# KiCad board HALTEST-panel.kicad_pcb (continued)
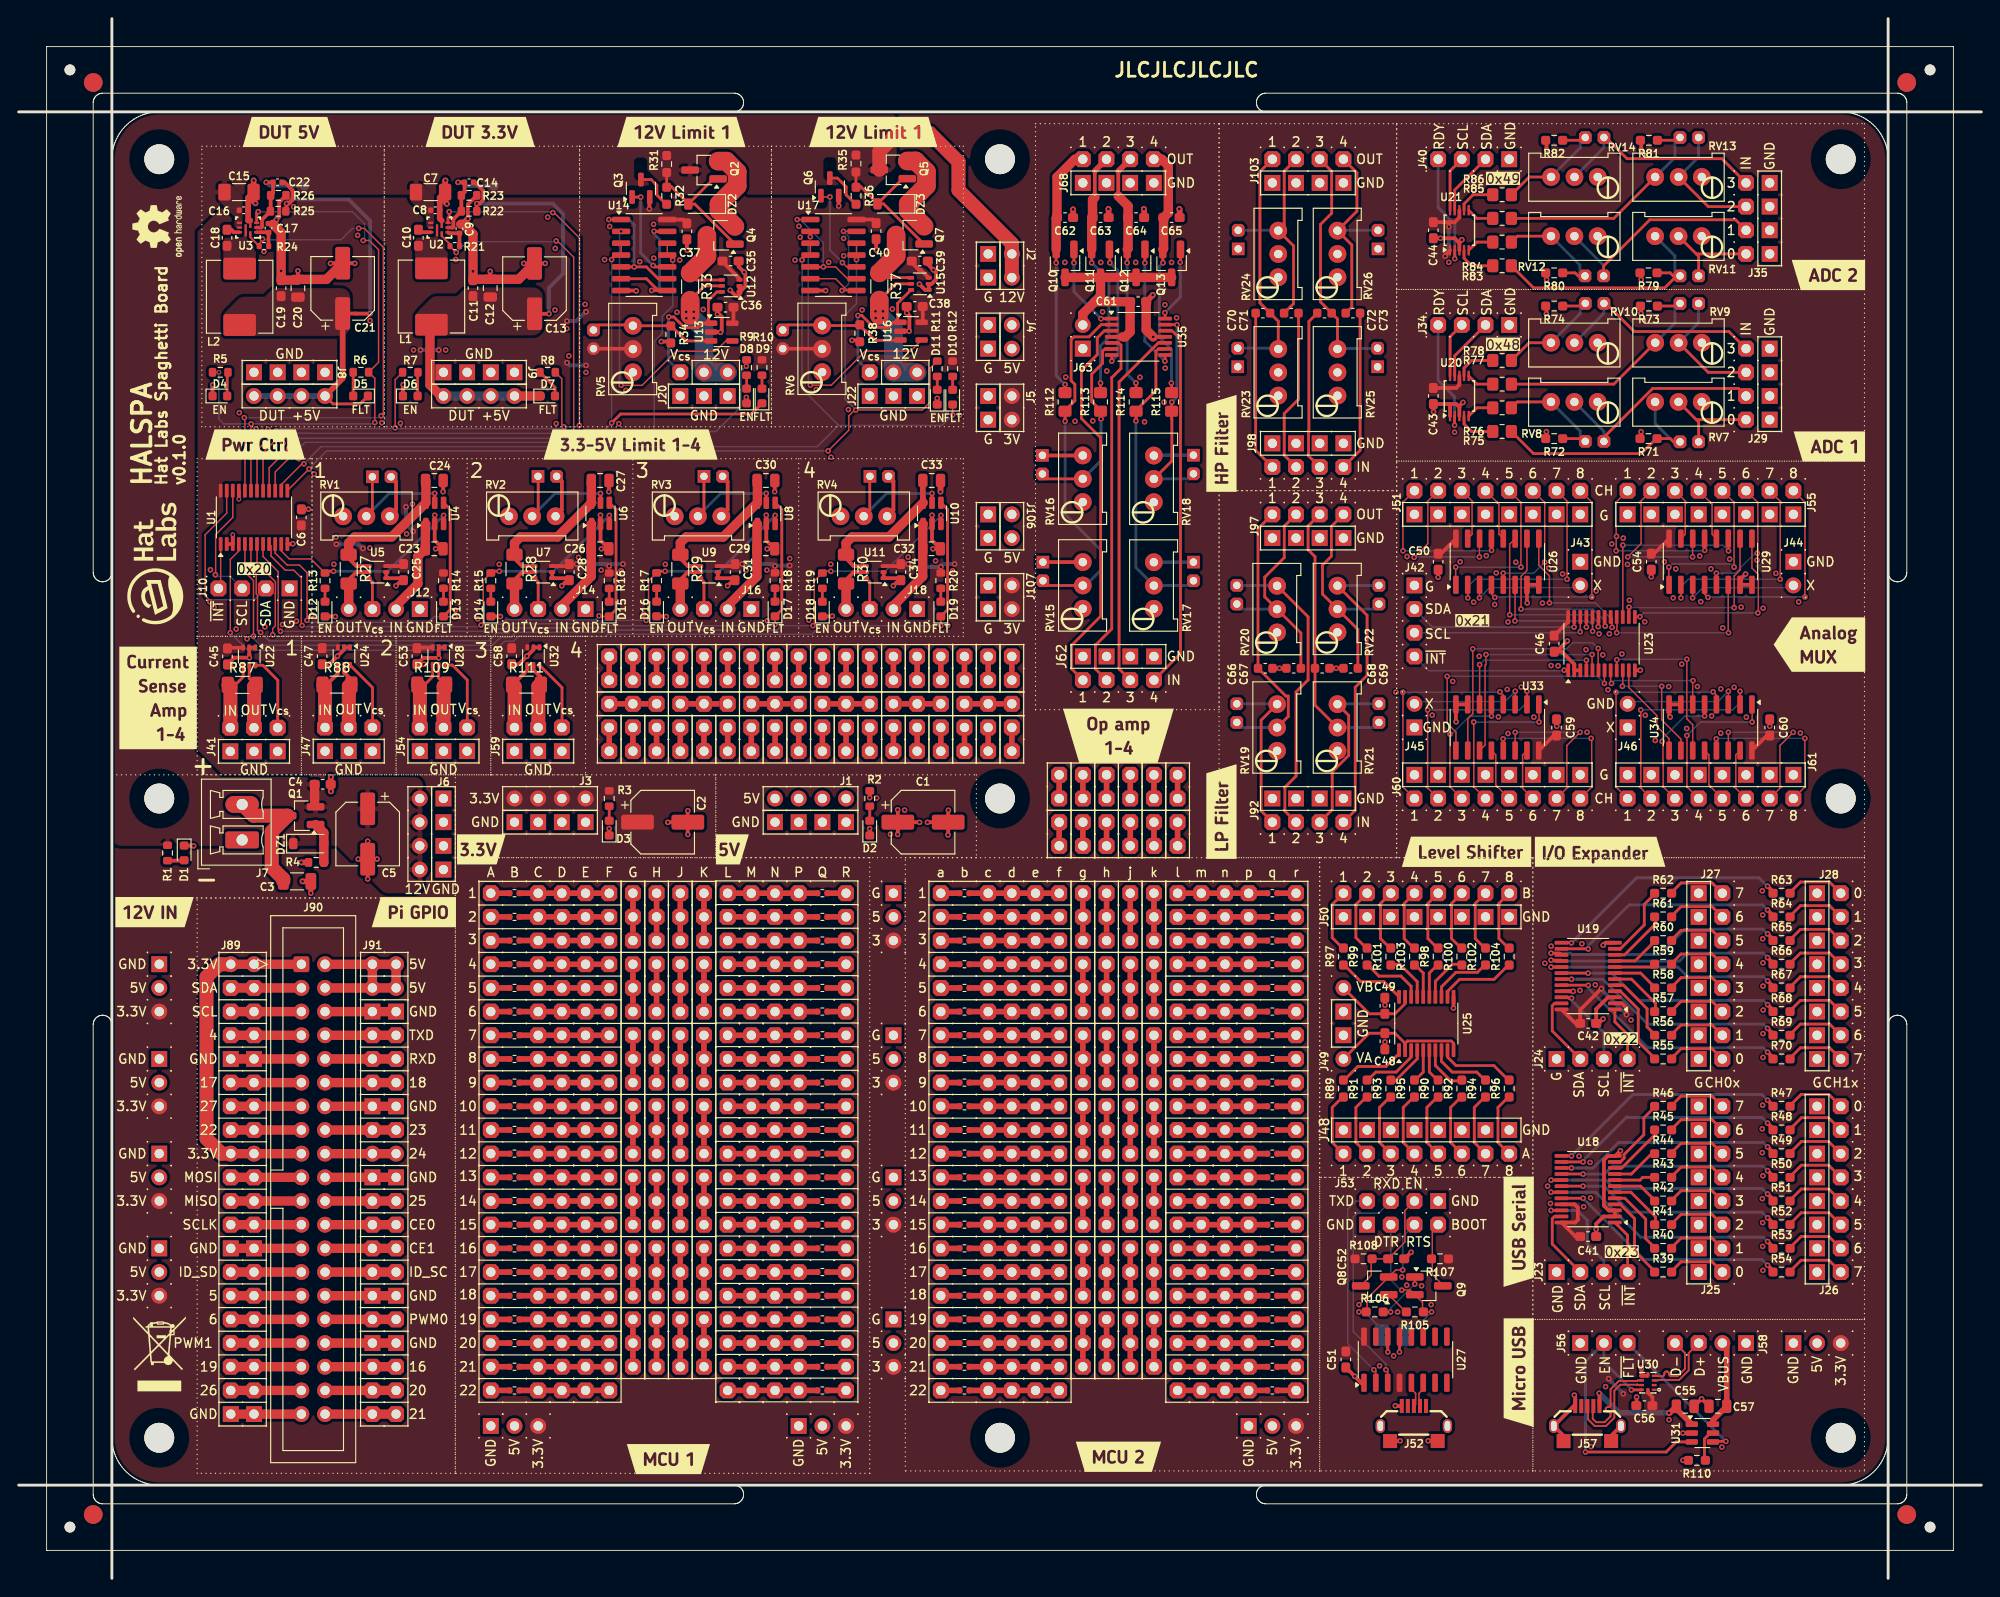
[diagram p0: board, top side]
## Library data of the parts (continued)
R34 R38 R71-R74 R79-R82 = -: Description: Resistor; LCSC: C25804
R39-R70 R89-R104 = -: Description: Resistor; LCSC: C21190
R75-R78 R83-R86 = -: Description: Resistor; LCSC: C17513
R105-R108 = -: LCSC: C25804
R110 = -: Description: Resistor, small symbol; LCSC: C23184
R112-R115 = -: Description: Resistor; LCSC: C17539
R116-R203 = -: Description: Resistor, small symbol; LCSC: C11702
RV1-RV4 RV15-RV18 = -: Description: Trim-potentiometer; THT_LCSC: C118942
RV5-RV14 RV19-RV26 = -: Description: Trim-potentiometer; THT_LCSC: C118963
TP1 TP2 = -: Description: test point
U1 U18 U19 U23 = -: Datasheet: https://www.lcsc.com/datasheet/lcsc_datasheet_2410010333_UMW-Youtai-Semiconductor-Co---Ltd--TCA9535PWR-UMW_C22396388.pdf; Description: 16-bit I/O expander, I2C and SMBus interface, interrupts, w/o pull-ups, TSSOP-24 package; LCSC: C22396388; JLCPCB_CORRECTION: 0;0;270
U2 U3 = -: Datasheet: https://www.ti.com/lit/ds/symlink/tps566238.pdf; LCSC: C2876603
U4 U6 U8 U10 U31 = -: Datasheet: https://jlcpcb.com/api/file/downloadByFileSystemAccessId/8560085854287642624; Description: 3V~5.5V 65mΩ 2.1A 1 SOT-26 Power Distribution Switches ROHS; LCSC: C1511768; JLCPCB_CORRECTION: 0;0;180
U5 U7 U9 U11 U12 U15 U22 U24 U28 U32 = -: Datasheet: http://www.ti.com/lit/ds/symlink/ina199.pdf; Description: INA199 26-V, Bidirectional, Zero-Drift, Low- or High-Side, Voltage-Output, Current-Shunt Monitor, SOT-363, SC-70; LCSC: C59135; JLCPCB_CORRECTION: 0;0;180
U13 U16 = -: Datasheet: http://www.ti.com/lit/ds/symlink/lmv324.pdf; Description: Low-Voltage Rail-to-Rail Output Operational Amplifiers, SOT-23-5/SC-70-5; LCSC: C362273; JLCPCB_CORRECTION: 0;0;180
U14 U17 = -: Datasheet: http://www.ti.com/lit/gpn/sn74hc02; Description: quad 2-input NOR gate; LCSC: C5145448; JLCPCB_CORRECTION: 0;0;270
U20 U21 = -: Datasheet: http://www.ti.com/lit/ds/symlink/ads1113.pdf; Description: Ultra-Small, Low-Power, I2C-Compatible, 860-SPS, 16-Bit ADCs With Internal Reference, Oscillator, and Programmable Comparator, VSSOP-10; LCSC: C37593; JLCPCB_CORRECTION: 0;0;270
U25 = -: Datasheet: www.ti.com/lit/ds/symlink/txs0108e.pdf; Description: Bidirectional  level-shifting voltage translator, TSSOP-20; LCSC: C17206; JLCPCB_CORRECTION: 0;0;270
U26 U29 U33 U34 = -: Datasheet: http://www.ti.com/lit/ds/symlink/cd4052b.pdf; Description: CMOS single 8-channel analog multiplexer demultiplexer, TSSOP-16/DIP-16/SOIC-16; LCSC: C21379; JLCPCB_CORRECTION: 0;0;270
U27 = -: Datasheet: https://www.lcsc.com/datasheet/lcsc_datasheet_2406191656_WCH-Jiangsu-Qin-Heng-CH340C_C84681.pdf; Description: USB serial converter, crystal-less, UART, SOIC-16; LCSC: C84681; JLCPCB_CORRECTION: 0;0;270
U30 = -: LCSC: C882807
U35 = -: Datasheet: http://www.ti.com/lit/ds/symlink/lm358.pdf; Description: Dual Operational Amplifiers, DIP-8/SOIC-8/TSSOP-8/VSSOP-8; LCSC: C468244; JLCPCB_CORRECTION: 0;0;270

## Footprints (pads in the part's own frame, mm; a bottom-side part is the same pattern mirrored in y, then rotated)
C_0402_1005Metric
  rrect 0.56x0.62 smd: 1(-0.48,0) 2(0.48,0)
C_0603_1608Metric
  rrect 0.9x0.95 smd: 1(-0.775,0) 2(0.775,0)
C_0603_1608Metric_Pad1.08x0.95mm_HandSolder
  rrect 1.075x0.95 smd: 1(-0.863,0) 2(0.863,0)
C_0805_2012Metric
  rrect 1x1.45 smd: 1(-0.95,0) 2(0.95,0)
C_1206_3216Metric
  rrect 1.15x1.8 smd: 1(-1.475,0) 2(1.475,0)
C_1206_3216Metric_Pad1.33x1.80mm_HandSolder
  rrect 1.325x1.8 smd: 1(-1.562,0) 2(1.562,0)
CP_Elec_6.3x7.7
  rrect 3.5x1.6 smd: 1(-2.7,0) 2(2.7,0)
D_SOD-123
  rrect 0.9x1.2 smd: 1(-1.65,0) 2(1.65,0)
Fiducial
  round 2 smd: (0,0)
IDC-Header_2x20_P2.54mm_Vertical
  rrect 1.7x1.7 hole 1: 1(0,0)
  round 1.7 hole 1: 2(2.54,0) 3(0,-2.54) 4(2.54,-2.54) 5(0,-5.08) 6(2.54,-5.08) 7(0,-7.62) 8(2.54,-7.62) 9(0,-10.16) 10(2.54,-10.16) 11(0,-12.7) 12(2.54,-12.7) 13(0,-15.24) 14(2.54,-15.24) 15(0,-17.78) 16(2.54,-17.78) 17(0,-20.32) 18(2.54,-20.32) 19(0,-22.86) 20(2.54,-22.86) 21(0,-25.4) 22(2.54,-25.4) 23(0,-27.94) 24(2.54,-27.94) 25(0,-30.48) 26(2.54,-30.48) 27(0,-33.02) 28(2.54,-33.02) 29(0,-35.56) 30(2.54,-35.56) 31(0,-38.1) 32(2.54,-38.1) 33(0,-40.64) 34(2.54,-40.64) 35(0,-43.18) 36(2.54,-43.18) 37(0,-45.72) 38(2.54,-45.72) 39(0,-48.26) 40(2.54,-48.26)
L_Chilisin_BMRx00060630
  rrect 2.35x3.5 smd: 1(-3.025,0) 2(3.025,0)
LED_0603_1608Metric
  rrect 0.875x0.95 smd: 1(-0.787,0) 2(0.787,0)
MICRO-USB-SMD_MICRO-21-P2-T3
  rect 0.43x1.51 smd: 1(-1.3,-1.88) 2(-0.65,-1.88) 3(0,-1.88) 4(0.65,-1.88) 5(1.3,-1.88)
  oval 1x1.5 hole 0.61x1.1: 6(-3.6,0.26) 6(3.6,0.26)
  rect 1.5x1.5 smd: 6(-2.55,1.87) 6(2.55,1.88)
MountingHole_3.2mm_M3_NoFill
  round 3.2 hole 3.2 unplated: (0,0)
NPTH
  round 1.152 hole 1.152 unplated: (0,0)
Pad_1x02_P2.00_1.35x1.35_Oct
  rrect 1.35x1.35 hole 0.8: 1(0,0) 2(0,-2)
Pad_1x02_P2.00_1.35x1.35_Rect-Oct
  rect 1.35x1.35 hole 0.8: 1(0,0)
  rrect 1.35x1.35 hole 0.8: 2(0,-2)
Pad_1x02_P2.00_1.35x1.35_Rnd-Oct
  round 1.35 hole 0.8: 1(0,0)
  rrect 1.35x1.35 hole 0.8: 2(0,-2)
Pad_1x02_P2.54_1.7x1.7_Oct_Connected
  rrect 1.7x1.7 hole 1: 1(0,0) 1(0,-2.54)
  rect 0.6x1 smd: 1(0,-1.27)
Pad_1x02_P2.54_1.7x1.7_Rect-Rnd
  rect 1.7x1.7 hole 1: 1(0,0)
  round 1.7 hole 1: 2(0,-2.54)
Pad_1x03_P2.54_1.7x1.7_Oct_Connected
  rrect 1.7x1.7 hole 1: 1(0,0) 1(0,-2.54) 1(0,-5.08)
  rect 0.6x0.85 smd: 1(0,-1.27) 1(0,-3.8)
Pad_1x03_P2.54_1.7x1.7_Rect-2Oct
  rect 1.7x1.7 hole 1: 1(0,0)
  rrect 1.7x1.7 hole 1: 2(0,-2.54) 3(0,-5.08)
Pad_1x03_P2.54_1.7x1.7_Rect-2Rnd
  rect 1.7x1.7 hole 1: 1(0,0)
  round 1.7 hole 1: 2(0,-2.54) 3(0,-5.08)
Pad_1x04_P2.54_1.7x1.7_Rect-Oct
  rect 1.7x1.7 hole 1: 1(0,0)
  rrect 1.7x1.7 hole 1: 2(0,-2.54) 3(0,-5.08) 4(0,-7.62)
Pad_1x04_P2.54_1.7x1.7_Rect-Rnd-Oct-Oct
  rect 1.7x1.7 hole 1: 1(0,0)
  round 1.7 hole 1: 2(0,-2.54)
  rrect 1.7x1.7 hole 1: 3(0,-5.08) 4(0,-7.62)
Pad_1x04_P2.54_1.7x1.7_Rect-Rnd-Oct-Rnd
  rect 1.7x1.7 hole 1: 1(0,0)
  round 1.7 hole 1: 2(0,-2.54) 4(0,-7.62)
  rrect 1.7x1.7 hole 1: 3(0,-5.08)
Pad_1x04_P2.54_1.7x1.7_Rect-Rnd-Rnd-Rect
  round 1.7 hole 1: 1(0,0) 4(0,-7.62)
  rect 1.7x1.7 hole 1: 2(0,-2.54) 3(0,-5.08)
Pad_1x22_P2.54_1.7x1.7_Oct
  rrect 1.7x1.7 hole 1: 1(0,0) 2(0,-2.54) 3(0,-5.08) 4(0,-7.62) 5(0,-10.16) 6(0,-12.7) 7(0,-15.24) 8(0,-17.78) 9(0,-20.32) 10(0,-22.86) 11(0,-25.4) 12(0,-27.94) 13(0,-30.48) 14(0,-33.02) 15(0,-35.56) 16(0,-38.1) 17(0,-40.64) 18(0,-43.18) 19(0,-45.72) 20(0,-48.26) 21(0,-50.8) 22(0,-53.34)
Pad_2x02_P2.54_1.7x1.7_Rect-Rnd
  rect 1.7x1.7 hole 1: 1(0,0) 3(0,-2.54)
  round 1.7 hole 1: 2(2.54,0) 4(2.54,-2.54)
Pad_2x03_P2.54_1.7x1.7_Rect-1Oct-2Rnd
  rect 1.7x1.7 hole 1: 1(0,0) 3(0,-2.54) 5(0,-5.08)
  rrect 1.7x1.7 hole 1: 2(2.54,0)
  round 1.7 hole 1: 4(2.54,-2.54) 6(2.54,-5.08)
Pad_2x03_P2.54_1.7x1.7_Rect-Oct
  rect 1.7x1.7 hole 1: 1(0,0) 3(0,-2.54) 5(0,-5.08)
  rrect 1.7x1.7 hole 1: 2(2.54,0) 4(2.54,-2.54) 6(2.54,-5.08)
Pad_2x04_P2.54_1.7x1.7_Rect-Oct
  rect 1.7x1.7 hole 1: 1(0,0) 3(0,-2.54) 5(0,-5.08) 7(0,-7.62)
  rrect 1.7x1.7 hole 1: 2(2.54,0) 4(2.54,-2.54) 6(2.54,-5.08) 8(2.54,-7.62)
Pad_2x04_P2.54_1.7x1.7_Rect-Oct-Rect
  rect 1.7x1.7 hole 1: 1(0,0) 8(2.54,-7.62)
  rrect 1.7x1.7 hole 1: 2(2.54,0) 3(0,-2.54) 4(2.54,-2.54) 5(0,-5.08) 6(2.54,-5.08) 7(0,-7.62)
Pad_2x04_P2.54_1.7x1.7_Rect-Rnd
  rect 1.7x1.7 hole 1: 1(0,0) 3(0,-2.54) 5(0,-5.08) 7(0,-7.62)
  round 1.7 hole 1: 2(2.54,0) 4(2.54,-2.54) 6(2.54,-5.08) 8(2.54,-7.62)
Pad_2x08_P2.54_1.7x1.7_Rect-Oct
  rect 1.7x1.7 hole 1: 1(0,0) 3(0,-2.54) 5(0,-5.08) 7(0,-7.62) 9(0,-10.16) 11(0,-12.7) 13(0,-15.24) 15(0,-17.78)
  rrect 1.7x1.7 hole 1: 2(2.54,0) 4(2.54,-2.54) 6(2.54,-5.08) 8(2.54,-7.62) 10(2.54,-10.16) 12(2.54,-12.7) 14(2.54,-15.24) 16(2.54,-17.78)
Pad_2x20_P2.54_1.7x1.7_RPi_GPIO_Even
  round 1.7 hole 1: 2(0,0) 2(2.54,0) 4(0,-2.54) 4(2.54,-2.54) 18(0,-20.32) 18(2.54,-20.32)
  rect 1.7x1.7 hole 1: 6(0,-5.08) 6(2.54,-5.08) 14(0,-15.24) 14(2.54,-15.24) 20(0,-22.86) 20(2.54,-22.86) 30(0,-35.56) 30(2.54,-35.56) 34(0,-40.64) 34(2.54,-40.64)
  rrect 1.7x1.7 hole 1: 8(0,-7.62) 8(2.54,-7.62) 10(0,-10.16) 10(2.54,-10.16) 12(0,-12.7) 12(2.54,-12.7) 16(0,-17.78) 16(2.54,-17.78) 22(0,-25.4) 22(2.54,-25.4) 24(0,-27.94) 24(2.54,-27.94) 26(0,-30.48) 26(2.54,-30.48) 28(0,-33.02) 28(2.54,-33.02) 32(0,-38.1) 32(2.54,-38.1) 36(0,-43.18) 36(2.54,-43.18) 38(0,-45.72) 38(2.54,-45.72) 40(0,-48.26) 40(2.54,-48.26)
Pad_2x20_P2.54_1.7x1.7_RPi_GPIO_Odd
  round 1.7 hole 1: 1(0,0) 1(2.49,0) 17(0,-20.32) 17(2.49,-20.32)
  rrect 1.7x1.7 hole 1: 3(0,-2.54) 3(2.49,-2.54) 5(0,-5.08) 5(2.49,-5.08) 7(0,-7.62) 7(2.49,-7.62) 11(0,-12.7) 11(2.49,-12.7) 13(0,-15.24) 13(2.49,-15.24) 15(0,-17.78) 15(2.49,-17.78) 19(0,-22.86) 19(2.49,-22.86) 21(0,-25.4) 21(2.49,-25.4) 23(0,-27.94) 23(2.49,-27.94) 27(0,-33.02) 27(2.49,-33.02) 29(0,-35.56) 29(2.49,-35.56) 31(0,-38.1) 31(2.49,-38.1) 33(0,-40.64) 33(2.49,-40.64) 35(0,-43.18) 35(2.49,-43.18) 37(0,-45.72) 37(2.49,-45.72)
  rect 1.7x1.7 hole 1: 9(0,-10.16) 9(2.49,-10.16) 25(0,-30.48) 25(2.49,-30.48) 39(0,-48.26) 39(2.49,-48.26)
PhoenixContact_MCV_1,5_2-G-3.81_1x02_P3.81mm_Vertical
  rrect 1.8x3.6 hole 1.2: 1(0,0)
  oval 1.8x3.6 hole 1.2: 2(3.81,0)
R_0402_1005Metric
  rrect 0.54x0.64 smd: 1(-0.51,0) 2(0.51,0)
R_0603_1608Metric
  rrect 0.8x0.95 smd: 1(-0.825,0) 2(0.825,0)
R_0603_1608Metric_Pad0.98x0.95mm_HandSolder
  rrect 0.975x0.95 smd: 1(-0.912,0) 2(0.912,0)
R_0805_2012Metric_Pad1.20x1.40mm_HandSolder
  rrect 1.2x1.4 smd: 1(-1,0) 2(1,0)
R_1206_3216Metric_Pad1.30x1.75mm_HandSolder
  rrect 1.3x1.75 smd: 1(-1.55,0) 2(1.55,0)
RES-ADJ-TH_3P-L9.5-W4.9-P2.50-L_3296W
  round 1.9 hole 0.9: 1(-2.5,0) 2(-0.01,0) 3(2.5,0)
RQF0009A
  rect 0.55x0.25 smd: 1(-0.925,0.5) 2(-0.925,0) 3(-0.925,-0.5) 5(0.925,-0.5) 6(0.925,0) 7(0.925,0.5)
  rect 0.25x1 smd: 4(-0.25,-0.45)
  rect 0.25x1.3 smd: 8(0.25,0.3)
  rect 0.25x0.55 smd: 9(-0.25,0.675)
SOIC-14_3.9x8.7mm_P1.27mm
  rrect 1.95x0.6 smd: 1(-2.475,3.81) 2(-2.475,2.54) 3(-2.475,1.27) 4(-2.475,0) 5(-2.475,-1.27) 6(-2.475,-2.54) 7(-2.475,-3.81) 8(2.475,-3.81) 9(2.475,-2.54) 10(2.475,-1.27) 11(2.475,0) 12(2.475,1.27) 13(2.475,2.54) 14(2.475,3.81)
SOIC-16_3.9x9.9mm_P1.27mm
  rrect 1.95x0.6 smd: 1(-2.475,4.445) 2(-2.475,3.175) 3(-2.475,1.905) 4(-2.475,0.635) 5(-2.475,-0.635) 6(-2.475,-1.905) 7(-2.475,-3.175) 8(-2.475,-4.445) 9(2.475,-4.445) 10(2.475,-3.175) 11(2.475,-1.905) 12(2.475,-0.635) 13(2.475,0.635) 14(2.475,1.905) 15(2.475,3.175) 16(2.475,4.445)
SolderJumper-2_P1.3mm_Bridged_Pad1.0x1.5mm
  rect 1x1.5 smd: 1(-0.65,0) 2(0.65,0)
SOT-23
  rrect 1.475x0.6 smd: 1(-0.938,0.95) 2(-0.938,-0.95) 3(0.938,0)
SOT-23-5
  rrect 1.325x0.6 smd: 1(-1.137,0.95) 2(-1.137,0) 3(-1.137,-0.95) 4(1.137,-0.95) 5(1.137,0.95)
SOT-23-6
  rrect 1.325x0.6 smd: 1(-1.137,0.95) 2(-1.137,0) 3(-1.137,-0.95) 4(1.137,-0.95) 5(1.137,0) 6(1.137,0.95)
SOT-23_Handsoldering
  rrect 1.9x0.8 smd: 1(-1.5,0.95) 2(-1.5,-0.95) 3(1.5,0)
SOT-363_SC-70-6
  rrect 0.65x0.4 smd: 1(-0.95,0.65) 2(-0.95,0) 3(-0.95,-0.65) 4(0.95,-0.65) 5(0.95,0) 6(0.95,0.65)
TestPoint_Pad_D1.0mm
  round 1 smd: 1(0,0)
TSSOP-10_3x3mm_P0.5mm
  rect 1.1x0.25 smd: 1(-2.15,1) 2(-2.15,0.5) 3(-2.15,0) 4(-2.15,-0.5) 5(-2.15,-1) 6(2.15,-1) 7(2.15,-0.5) 8(2.15,0) 9(2.15,0.5) 10(2.15,1)
TSSOP-14_4.4x5mm_P0.65mm
  rrect 1.475x0.4 smd: 1(-2.862,1.95) 2(-2.862,1.3) 3(-2.862,0.65) 4(-2.862,0) 5(-2.862,-0.65) 6(-2.862,-1.3) 7(-2.862,-1.95) 8(2.862,-1.95) 9(2.862,-1.3) 10(2.862,-0.65) 11(2.862,0) 12(2.862,0.65) 13(2.862,1.3) 14(2.862,1.95)
TSSOP-20_4.4x6.5mm_P0.65mm
  rrect 1.475x0.4 smd: 1(-2.862,2.925) 2(-2.862,2.275) 3(-2.862,1.625) 4(-2.862,0.975) 5(-2.862,0.325) 6(-2.862,-0.325) 7(-2.862,-0.975) 8(-2.862,-1.625) 9(-2.862,-2.275) 10(-2.862,-2.925) 11(2.862,-2.925) 12(2.862,-2.275) 13(2.862,-1.625) 14(2.862,-0.975) 15(2.862,-0.325) 16(2.862,0.325) 17(2.862,0.975) 18(2.862,1.625) 19(2.862,2.275) 20(2.862,2.925)
TSSOP-24_4.4x7.8mm_P0.65mm
  rrect 1.475x0.4 smd: 1(-2.862,3.575) 2(-2.862,2.925) 3(-2.862,2.275) 4(-2.862,1.625) 5(-2.862,0.975) 6(-2.862,0.325) 7(-2.862,-0.325) 8(-2.862,-0.975) 9(-2.862,-1.625) 10(-2.862,-2.275) 11(-2.862,-2.925) 12(-2.862,-3.575) 13(2.862,-3.575) 14(2.862,-2.925) 15(2.862,-2.275) 16(2.862,-1.625) 17(2.862,-0.975) 18(2.862,-0.325) 19(2.862,0.325) 20(2.862,0.975) 21(2.862,1.625) 22(2.862,2.275) 23(2.862,2.925) 24(2.862,3.575)
UQFN-10_L2.0-W1.5-P0.50-BL
  rect 0.25x0.52 smd: 1(-0.75,-0.68) 2(-0.25,-0.68) 3(0.25,-0.68) 4(0.75,-0.68) 6(0.75,0.68) 7(0.25,0.68) 8(-0.25,0.68) 9(-0.75,0.68)
  rect 0.58x0.3 smd: 5(0.86,0) 10(-0.86,0)

## Nets
Board_0-/Current Sense/INA199 1/V1: J41.6 U22.6
Board_0-/Current Sense/INA199 2/V1: J47.6 U24.6
Board_0-/Current Sense/INA199 3/V1: J54.6 U28.6
Board_0-/Current Sense/INA199 4/V1: J59.6 U32.6
Board_0-/DUT Power/Buck 3.3V/VCC: C9.1 R21.2 U2.1
Board_0-/DUT Power/Buck 5V/VCC: C17.1 R24.2 U3.1
Board_0-/DUT Power/Curlim 1/Vin: C23.1 J12.2 U4.1
Board_0-/DUT Power/Curlim 2/Vin: C26.1 J14.2 U6.1
Board_0-/DUT Power/Curlim 3/Vin: C29.1 J16.2 U8.1
Board_0-/DUT Power/Curlim 4/Vin: C32.1 J18.2 U10.1
Board_0-/DUT Power/Curlim 12V 1/+12Vs: Q4.3 R33.1 U12.4
Board_0-/DUT Power/Curlim 12V 2/+12Vs: Q7.3 R37.1 U15.4
Board_0-/DUT Power/Vin: C3.1 J7.2 Q1.3
Board_0-/Level Shifting/VCCA: C48.2 J49.1 U25.2 U25.10
Board_0-/Level Shifting/VCCB: C49.1 J49.4 U25.19
Board_0-/Opamp/VCC: C61.2 J63.2 Q10.3 Q11.3 Q12.3 Q13.3 U35.4
Board_0-/USB connector/VBUS: C55.1 J57.1 U31.1
Board_0-/USB connector/VBUSOUT: C57.1 J58.2 U31.6
Board_0-+3.3V: C2.1 C6.1 C25.1 C28.1 C31.1 C34.1 C35.1 C36.1 C37.1 C38.1 C39.1 C40.1 C41.1 C42.1 C43.1 C44.1 C45.2 C46.1 C47.2 C50.1 C51.1 C53.2 C54.1 C56.2 C58.2 C59.1 C60.1 J3.2 J3.4 J3.6 J3.8 J5.2 J5.4 J19.1 J21.1 J107.2 J107.4 R3.1 R10.1 R12.1 R14.1 R16.1 R18.1 R20.1 R107.1 R108.1 REF**#21.3 REF**#31.3 REF**#36.3 REF**#51.3 REF**#52.3 REF**#65.3 REF**#67.3 REF**#70.3 REF**#76.3 REF**#78.3 REF**#99.3 REF**#117.3 RV5.2 RV6.2 U1.24 U5.3 U7.3 U9.3 U11.3 U12.3 U13.5 U14.14 U15.3 U16.5 U17.14 U18.2 U18.21 U18.24 U19.2 U19.24 U20.8 U21.1 U21.8 U22.3 U23.21 U23.24 U24.3 U26.16 U27.4 U27.16 U28.3 U29.16 U30.10 U32.3 U33.16 U34.16
Board_0-+3.3VD: C11.1 C12.1 C13.1 C14.1 D7.1 J9.2 J9.4 J9.6 J9.8 L1.2 R22.1
Board_0-+5V: C1.1 J1.2 J1.4 J1.6 J1.8 J4.2 J4.4 J106.2 J106.4 R2.1 REF**#21.2 REF**#31.2 REF**#36.2 REF**#51.2 REF**#52.2 REF**#65.2 REF**#67.2 REF**#70.2 REF**#76.2 REF**#78.2 REF**#99.2 REF**#117.2
Board_0-+5VD: C19.1 C20.1 C21.1 C22.1 D5.1 J8.2 J8.4 J8.6 J8.8 L2.2 R25.1
Board_0-+12V: C4.1 C5.1 C7.1 C8.1 C15.1 C16.1 DZ1.1 J2.2 J2.4 J6.2 J6.4 J6.6 J6.8 Q1.2 Q2.3 Q5.3 R1.1 R31.1 R35.1 U2.5 U2.6 U3.5 U3.6
Board_0-/ADC/ADS1115 1/AIN0: R75.1 U20.4
Board_0-/ADC/ADS1115 1/AIN1: R76.1 U20.5
Board_0-/ADC/ADS1115 1/AIN2: R77.1 U20.6
Board_0-/ADC/ADS1115 1/AIN3: R78.1 U20.7
Board_0-/ADC/ADS1115 1/AINc0: J29.2 J30.1 RV7.2
Board_0-/ADC/ADS1115 1/AINc1: J29.4 J31.1 RV8.2
Board_0-/ADC/ADS1115 1/AINc2: J29.6 J32.1 RV9.2
Board_0-/ADC/ADS1115 1/AINc3: J29.8 J33.1 RV10.2
Board_0-/ADC/ADS1115 1/AINr0: J30.2 R71.1 R75.2 RV7.3
Board_0-/ADC/ADS1115 1/AINr1: J31.2 R72.1 R76.2 RV8.3
Board_0-/ADC/ADS1115 1/AINr2: J32.2 R73.1 R77.2 RV9.3
Board_0-/ADC/ADS1115 1/AINr3: J33.2 R74.1 R78.2 RV10.3
Board_0-/ADC/ADS1115 1/ALERT/RDY: J34.4 U20.2
Board_0-/ADC/ADS1115 1/SCL: J34.3 U20.10
Board_0-/ADC/ADS1115 1/SDA: J34.2 U20.9
Board_0-/ADC/ADS1115 2/AIN0: R83.1 U21.4
Board_0-/ADC/ADS1115 2/AIN1: R84.1 U21.5
Board_0-/ADC/ADS1115 2/AIN2: R85.1 U21.6
Board_0-/ADC/ADS1115 2/AIN3: R86.1 U21.7
Board_0-/ADC/ADS1115 2/AINc0: J35.2 J36.1 RV11.2
Board_0-/ADC/ADS1115 2/AINc1: J35.4 J37.1 RV12.2
Board_0-/ADC/ADS1115 2/AINc2: J35.6 J38.1 RV13.2
Board_0-/ADC/ADS1115 2/AINc3: J35.8 J39.1 RV14.2
Board_0-/ADC/ADS1115 2/AINr0: J36.2 R79.1 R83.2 RV11.3
Board_0-/ADC/ADS1115 2/AINr1: J37.2 R80.1 R84.2 RV12.3
Board_0-/ADC/ADS1115 2/AINr2: J38.2 R81.1 R85.2 RV13.3
Board_0-/ADC/ADS1115 2/AINr3: J39.2 R82.1 R86.2 RV14.3
Board_0-/ADC/ADS1115 2/ALERT/RDY: J40.4 U21.2
Board_0-/ADC/ADS1115 2/SCL: J40.3 U21.10
Board_0-/ADC/ADS1115 2/SDA: J40.2 U21.9
Board_0-/Analog IO/A1: U23.19 U26.11
Board_0-/Analog IO/A2: U23.15 U29.11
Board_0-/Analog IO/A3: U23.5 U33.11
Board_0-/Analog IO/A4: U23.9 U34.11
Board_0-/Analog IO/Analog MUX 1/X: J43.2 U26.3
Board_0-/Analog IO/Analog MUX 1/X0: J51.2 U26.13
Board_0-/Analog IO/Analog MUX 1/X1: J51.4 U26.14
Board_0-/Analog IO/Analog MUX 1/X2: J51.6 U26.15
Board_0-/Analog IO/Analog MUX 1/X3: J51.8 U26.12
Board_0-/Analog IO/Analog MUX 1/X4: J51.10 U26.1
Board_0-/Analog IO/Analog MUX 1/X5: J51.12 U26.5
Board_0-/Analog IO/Analog MUX 1/X6: J51.14 U26.2
Board_0-/Analog IO/Analog MUX 1/X7: J51.16 U26.4
Board_0-/Analog IO/Analog MUX 2/X: J44.2 U29.3
Board_0-/Analog IO/Analog MUX 2/X0: J55.2 U29.13
Board_0-/Analog IO/Analog MUX 2/X1: J55.4 U29.14
Board_0-/Analog IO/Analog MUX 2/X2: J55.6 U29.15
Board_0-/Analog IO/Analog MUX 2/X3: J55.8 U29.12
Board_0-/Analog IO/Analog MUX 2/X4: J55.10 U29.1
Board_0-/Analog IO/Analog MUX 2/X5: J55.12 U29.5
Board_0-/Analog IO/Analog MUX 2/X6: J55.14 U29.2
Board_0-/Analog IO/Analog MUX 2/X7: J55.16 U29.4
Board_0-/Analog IO/Analog MUX 3/X: J45.2 U33.3
Board_0-/Analog IO/Analog MUX 3/X0: J60.2 U33.13
Board_0-/Analog IO/Analog MUX 3/X1: J60.4 U33.14
Board_0-/Analog IO/Analog MUX 3/X2: J60.6 U33.15
Board_0-/Analog IO/Analog MUX 3/X3: J60.8 U33.12
Board_0-/Analog IO/Analog MUX 3/X4: J60.10 U33.1
Board_0-/Analog IO/Analog MUX 3/X5: J60.12 U33.5
Board_0-/Analog IO/Analog MUX 3/X6: J60.14 U33.2
Board_0-/Analog IO/Analog MUX 3/X7: J60.16 U33.4
Board_0-/Analog IO/Analog MUX 4/X: J46.2 U34.3
Board_0-/Analog IO/Analog MUX 4/X0: J61.2 U34.13
Board_0-/Analog IO/Analog MUX 4/X1: J61.4 U34.14
Board_0-/Analog IO/Analog MUX 4/X2: J61.6 U34.15
Board_0-/Analog IO/Analog MUX 4/X3: J61.8 U34.12
Board_0-/Analog IO/Analog MUX 4/X4: J61.10 U34.1
Board_0-/Analog IO/Analog MUX 4/X5: J61.12 U34.5
Board_0-/Analog IO/Analog MUX 4/X6: J61.14 U34.2
Board_0-/Analog IO/Analog MUX 4/X7: J61.16 U34.4
Board_0-/Analog IO/B1: U23.18 U26.10
Board_0-/Analog IO/B2: U23.14 U29.10
Board_0-/Analog IO/B3: U23.6 U33.10
Board_0-/Analog IO/B4: U23.10 U34.10
Board_0-/Analog IO/C1: U23.17 U26.9
Board_0-/Analog IO/C2: U23.13 U29.9
Board_0-/Analog IO/C3: U23.7 U33.9
Board_0-/Analog IO/C4: U23.11 U34.9
Board_0-/Analog IO/INH1: U23.20 U26.6
Board_0-/Analog IO/INH2: U23.16 U29.6
Board_0-/Analog IO/INH3: U23.4 U33.6
Board_0-/Analog IO/INH4: U23.8 U34.6
Board_0-/Analog IO/SCL: J42.3 U23.22
Board_0-/Analog IO/SDA: J42.2 U23.23
Board_0-/Analog IO/~{INT}: J42.4 U23.1
Board_0-/Current Sense/INA199 1/IN1: J41.2 R87.1 U22.4
Board_0-/Current Sense/INA199 1/OUT1: J41.4 R87.2 U22.5
Board_0-/Current Sense/INA199 2/IN1: J47.2 R88.1 U24.4
Board_0-/Current Sense/INA199 2/OUT1: J47.4 R88.2 U24.5
Board_0-/Current Sense/INA199 3/IN1: J54.2 R109.1 U28.4
Board_0-/Current Sense/INA199 3/OUT1: J54.4 R109.2 U28.5
Board_0-/Current Sense/INA199 4/IN1: J59.2 R111.1 U32.4
Board_0-/Current Sense/INA199 4/OUT1: J59.4 R111.2 U32.5
Board_0-/Digital IO/P1r00: J25.16 R39.2
Board_0-/Digital IO/P1r01: J25.14 R40.2
Board_0-/Digital IO/P1r02: J25.12 R41.2
Board_0-/Digital IO/P1r03: J25.10 R42.2
Board_0-/Digital IO/P1r04: J25.8 R43.2
Board_0-/Digital IO/P1r05: J25.6 R44.2
Board_0-/Digital IO/P1r06: J25.4 R45.2
Board_0-/Digital IO/P1r07: J25.2 R46.2
Board_0-/Digital IO/P1r10: J26.16 R47.2
Board_0-/Digital IO/P1r11: J26.14 R48.2
Board_0-/Digital IO/P1r12: J26.12 R49.2
Board_0-/Digital IO/P1r13: J26.10 R50.2
Board_0-/Digital IO/P1r14: J26.8 R51.2
Board_0-/Digital IO/P1r15: J26.6 R52.2
Board_0-/Digital IO/P1r16: J26.4 R53.2
Board_0-/Digital IO/P1r17: J26.2 R54.2
Board_0-/Digital IO/P2r00: J27.16 R55.2
Board_0-/Digital IO/P2r01: J27.14 R56.2
Board_0-/Digital IO/P2r02: J27.12 R57.2
Board_0-/Digital IO/P2r03: J27.10 R58.2
Board_0-/Digital IO/P2r04: J27.8 R59.2
Board_0-/Digital IO/P2r05: J27.6 R60.2
Board_0-/Digital IO/P2r06: J27.4 R61.2
Board_0-/Digital IO/P2r07: J27.2 R62.2
Board_0-/Digital IO/P2r10: J28.16 R63.2
Board_0-/Digital IO/P2r11: J28.14 R64.2
Board_0-/Digital IO/P2r12: J28.12 R65.2
Board_0-/Digital IO/P2r13: J28.10 R66.2
Board_0-/Digital IO/P2r14: J28.8 R67.2
Board_0-/Digital IO/P2r15: J28.6 R68.2
Board_0-/Digital IO/P2r16: J28.4 R69.2
Board_0-/Digital IO/P2r17: J28.2 R70.2
Board_0-/Digital IO/P100: R39.1 U18.4
Board_0-/Digital IO/P101: R40.1 U18.5
Board_0-/Digital IO/P102: R41.1 U18.6
Board_0-/Digital IO/P103: R42.1 U18.7
Board_0-/Digital IO/P104: R43.1 U18.8
Board_0-/Digital IO/P105: R44.1 U18.9
Board_0-/Digital IO/P106: R45.1 U18.10
Board_0-/Digital IO/P107: R46.1 U18.11
Board_0-/Digital IO/P110: R47.1 U18.13
Board_0-/Digital IO/P111: R48.1 U18.14
Board_0-/Digital IO/P112: R49.1 U18.15
Board_0-/Digital IO/P113: R50.1 U18.16
Board_0-/Digital IO/P114: R51.1 U18.17
Board_0-/Digital IO/P115: R52.1 U18.18
Board_0-/Digital IO/P116: R53.1 U18.19
Board_0-/Digital IO/P117: R54.1 U18.20
Board_0-/Digital IO/P200: R55.1 U19.4
Board_0-/Digital IO/P201: R56.1 U19.5
Board_0-/Digital IO/P202: R57.1 U19.6
Board_0-/Digital IO/P203: R58.1 U19.7
Board_0-/Digital IO/P204: R59.1 U19.8
Board_0-/Digital IO/P205: R60.1 U19.9
Board_0-/Digital IO/P206: R61.1 U19.10
Board_0-/Digital IO/P207: R62.1 U19.11
Board_0-/Digital IO/P210: R63.1 U19.13
Board_0-/Digital IO/P211: R64.1 U19.14
Board_0-/Digital IO/P212: R65.1 U19.15
Board_0-/Digital IO/P213: R66.1 U19.16
Board_0-/Digital IO/P214: R67.1 U19.17
Board_0-/Digital IO/P215: R68.1 U19.18
Board_0-/Digital IO/P216: R69.1 U19.19
Board_0-/Digital IO/P217: R70.1 U19.20
Board_0-/Digital IO/SCL1: J23.3 U18.22
Board_0-/Digital IO/SCL2: J24.3 U19.22
Board_0-/Digital IO/SDA1: J23.2 U18.23
Board_0-/Digital IO/SDA2: J24.2 U19.23
Board_0-/Digital IO/~{INT1}: J23.4 U18.1
Board_0-/Digital IO/~{INT2}: J24.4 U19.1
Board_0-/DUT Power/Buck 3.3V/BOOT_: C10.2 U2.7
Board_0-/DUT Power/Buck 3.3V/FB: C14.2 R22.2 R23.1 TP1.1 U2.2
Board_0-/DUT Power/Buck 3.3V/SW: C10.1 L1.1 U2.8
Board_0-/DUT Power/Buck 5V/BOOT_: C18.2 U3.7
Board_0-/DUT Power/Buck 5V/FB: C22.2 R25.2 R26.1 TP2.1 U3.2
Board_0-/DUT Power/Buck 5V/SW: C18.1 L2.1 U3.8
Board_0-/DUT Power/Curlim 1/CLSOUT: C24.1 R27.1 U4.6 U5.4
Board_0-/DUT Power/Curlim 1/ILIM: J11.1 RV1.2 U4.5
Board_0-/DUT Power/Curlim 1/V_{Iin}: J12.3 U5.6
Board_0-/DUT Power/Curlim 1/Vout: J12.4 R27.2 U5.5
Board_0-/DUT Power/Curlim 2/CLSOUT: C27.1 R28.1 U6.6 U7.4
Board_0-/DUT Power/Curlim 2/ILIM: J13.1 RV2.2 U6.5
Board_0-/DUT Power/Curlim 2/V_{Iin}: J14.3 U7.6
Board_0-/DUT Power/Curlim 2/Vout: J14.4 R28.2 U7.5
Board_0-/DUT Power/Curlim 3/CLSOUT: C30.1 R29.1 U8.6 U9.4
Board_0-/DUT Power/Curlim 3/ILIM: J15.1 RV3.2 U8.5
Board_0-/DUT Power/Curlim 3/V_{Iin}: J16.3 U9.6
Board_0-/DUT Power/Curlim 3/Vout: J16.4 R29.2 U9.5
Board_0-/DUT Power/Curlim 4/CLSOUT: C33.1 R30.1 U10.6 U11.4
Board_0-/DUT Power/Curlim 4/ILIM: J17.1 RV4.2 U10.5
Board_0-/DUT Power/Curlim 4/V_{Iin}: J18.3 U11.6
Board_0-/DUT Power/Curlim 4/Vout: J18.4 R30.2 U11.5
Board_0-/DUT Power/Curlim 12V 1/CV-: J19.2 R34.1 RV5.3 U13.3
Board_0-/DUT Power/Curlim 12V 1/ENF: Q3.1 U14.10
Board_0-/DUT Power/Curlim 12V 1/FAULT: U13.4 U14.2
Board_0-/DUT Power/Curlim 12V 1/G2: DZ2.2 Q2.1 Q4.1 R31.2 R32.1
Board_0-/DUT Power/Curlim 12V 1/LF: U14.3 U14.4 U14.9
Board_0-/DUT Power/Curlim 12V 1/PDD: Q3.3 R32.2
Board_0-/DUT Power/Curlim 12V 1/S2: DZ2.1 Q2.2 Q4.2
Board_0-/DUT Power/Curlim 12V 1/V_{Iin}: J20.2 U12.6 U13.1
Board_0-/DUT Power/Curlim 12V 1/Vout: J20.4 J20.6 R33.2 U12.5
Board_0-/DUT Power/Curlim 12V 1/~{EN}: U14.6 U14.8 U14.13
Board_0-/DUT Power/Curlim 12V 2/CV-: J21.2 R38.1 RV6.3 U16.3
Board_0-/DUT Power/Curlim 12V 2/ENF: Q6.1 U17.10
Board_0-/DUT Power/Curlim 12V 2/FAULT: U16.4 U17.2
Board_0-/DUT Power/Curlim 12V 2/G2: DZ3.2 Q5.1 Q7.1 R35.2 R36.1
Board_0-/DUT Power/Curlim 12V 2/LF: U17.3 U17.4 U17.9
Board_0-/DUT Power/Curlim 12V 2/PDD: Q6.3 R36.2
Board_0-/DUT Power/Curlim 12V 2/S2: DZ3.1 Q5.2 Q7.2
Board_0-/DUT Power/Curlim 12V 2/V_{Iin}: J22.2 U15.6 U16.1
Board_0-/DUT Power/Curlim 12V 2/Vout: J22.4 J22.6 R37.2 U15.5
Board_0-/DUT Power/Curlim 12V 2/~{EN}: U17.6 U17.8 U17.13
Board_0-/DUT Power/EN_3V3D: R7.1 R8.1 U1.18 U2.3
Board_0-/DUT Power/EN_5VD: R5.1 R6.1 U1.19 U3.3
Board_0-/DUT Power/EN_12V_1: R9.1 U1.15 U14.11 U14.12
Board_0-/DUT Power/EN_12V_2: R11.1 U1.13 U17.11 U17.12
Board_0-/DUT Power/EN_LIM_1: R13.1 U1.11 U4.3
Board_0-/DUT Power/EN_LIM_2: R15.1 U1.9 U6.3
Board_0-/DUT Power/EN_LIM_3: R17.1 U1.7 U8.3
Board_0-/DUT Power/EN_LIM_4: R19.1 U1.5 U10.3
Board_0-/DUT Power/G2: DZ1.2 Q1.1 R4.1
Board_0-/DUT Power/PG_3V3: R21.1 U1.17 U2.9
Board_0-/DUT Power/PG_5V: R24.1 U1.20 U3.9
Board_0-/DUT Power/SCL: J10.3 U1.22
Board_0-/DUT Power/SDA: J10.2 U1.23
Board_0-/DUT Power/~{FAULT_12V_1}: D9.1 U1.16 U14.1 U14.5
Board_0-/DUT Power/~{FAULT_12V_2}: D11.1 U1.14 U17.1 U17.5
Board_0-/DUT Power/~{FAULT_LIM_1}: D13.1 U1.10 U4.4
Board_0-/DUT Power/~{FAULT_LIM_2}: D15.1 U1.8 U6.4
Board_0-/DUT Power/~{FAULT_LIM_3}: D17.1 U1.6 U8.4
Board_0-/DUT Power/~{FAULT_LIM_4}: D19.1 U1.4 U10.4
Board_0-/DUT Power/~{INT}: J10.4 U1.1
Board_0-/Filters/HPIN1: C70.1 J98.2
Board_0-/Filters/HPIN2: C71.1 J98.4
Board_0-/Filters/HPIN3: C72.1 J98.6
Board_0-/Filters/HPIN4: C73.1 J98.8
Board_0-/Filters/HPOUT1: C70.2 J99.2 J103.2 RV23.3
Board_0-/Filters/HPOUT2: C71.2 J100.2 J103.4 RV24.3
Board_0-/Filters/HPOUT3: C72.2 J101.2 J103.6 RV25.3
Board_0-/Filters/HPOUT4: C73.2 J102.2 J103.8 RV26.3